# Altium PCB PCB_SingleLedRow.PcbDoc (part 2 of 2)
Units mm, origin at the board's own origin, x right, y up, seen from the top; angles counter-clockwise.
Board outline 110 x 81.27 mm, 4 copper layers (GTL, GL2, GL3, GBL), stack 1.543 mm thick; 154 components, 137 nets, 578 pads, 228 vias.
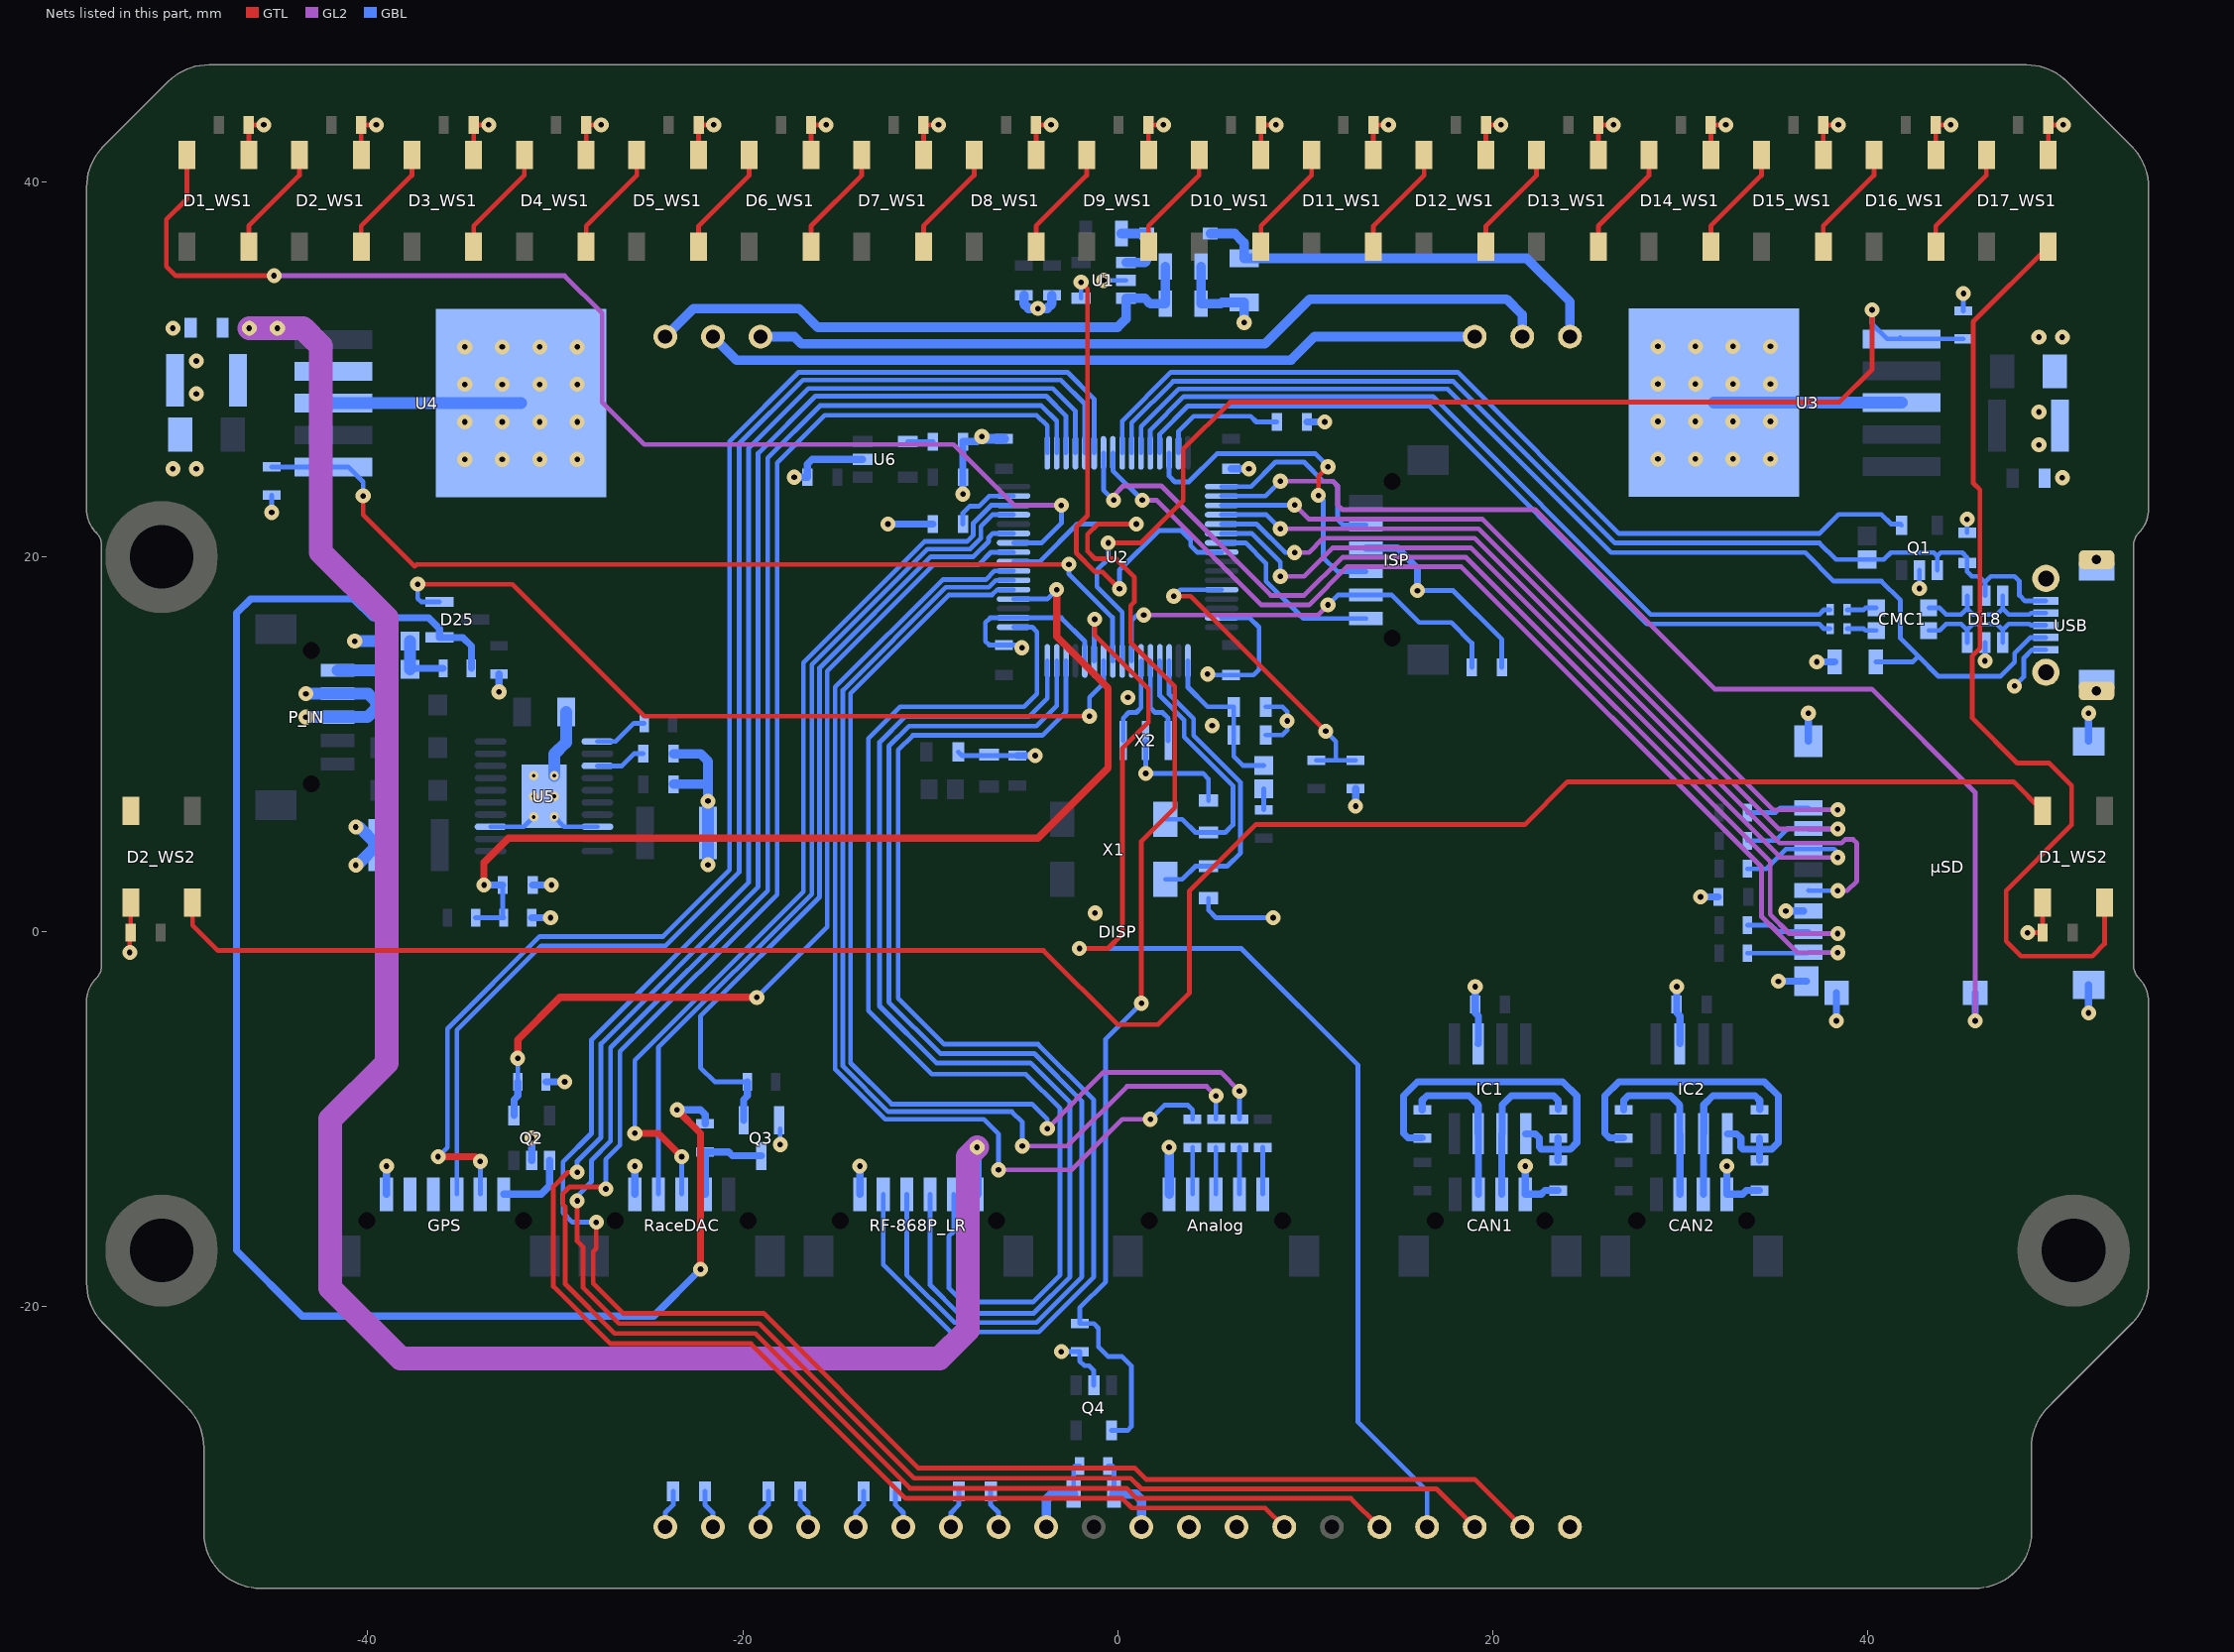
[diagram p4: the nets of this part, all layers, seen from the top]

## Via types
v1: diameter 0.8, hole 0.3, GTL to GBL, tented both sides, 222 vias
v2: diameter 0.5, hole 0.2, GTL to GBL, tented both sides, 6 vias

## Nets (pads, with @x,y where several pads share a name; then routed paths per layer and width w, separated by ;. In a path a pad name is that pad's centre, name@x,y a point inside that pad or via, vN(x,y) a via of type N, cw(c..) or ccw(c..) an arc to the next point about the centre after c; other vN are vias at no path point) (continued)
GND: Analog.5 C1_WS1.1 C1_WS2.1 C2_WS1.1 C2_WS2.1 C3_WS1.1 C4_WS1.1 C5_WS1.1 C6_WS1.1 C7_WS1.1 C8_WS1.1 C9_WS1.1 C10_WS1.1 C11_WS1.1 C12_WS1.1 C13_WS1.1 C14_WS1.1 C15_WS1.1 C16.1 C16_WS1.1 C17.2 C17_WS1.1 C18.2 C23.1 C24.2 C25.2 C26.2 C27.2 C28.2 C29.2 C30.2 C31.2 C32.2 C33.2 C34.2 C35.2 C36.2 C37.1 C38.2 C39.2 C40.2 C41.2 C42.2 C43.2 C44.2 C45.2 C46.1 C47.1 C48.2 C49.2 C50.2 C51.2 C52.1 C53.1 C54.2 C55.1 C56.1 C57.2 C58.1 CAN1.1 CAN2.1 D1_WS1.3 D1_WS2.3 D2_WS1.3 D2_WS2.3 D3_WS1.3 D4_WS1.3 D5_WS1.3 D6_WS1.3 D7_WS1.3 D8_WS1.3 D9_WS1.3 D10_WS1.3 D11_WS1.3 D12_WS1.3 D13_WS1.3 D14_WS1.3 D15_WS1.3 D16_WS1.3 D17_WS1.3 D18.2 D23.2 D24.1 DISP.31 DISP.32 DISP.33 DISP.40 GPS.6 IC1.2 IC2.2 ISP.3 P_IN.3 P_IN.4 Q1.2 Q2.2 Q3.2 Q4.2 R1.1 R2.1 R3.1 R4.1 R7.2 R15.1 R16.1 R23.2 R27.1 R29.2 R31.1 RaceDAC.5 RF-868P_LR.6 U1.2 U2.12 U2.18 U2.63 U3.3 U3.6 U4.3 U4.6 U5.8 U5.13 U5.21 U6.2 USB.5 USB.6 X2.2 µSD.6 µSD.9 µSD.11 | length 220.4
  GTL w0.254: v1(-52.7,-1.1) -52.7,-0.05 C2_WS2.1@-52.65,0 ; C2_WS2.1@-52.65,-0.05 C2_WS2.1@-52.65,0 ; D2_WS2.3@-52.65,1.55 C2_WS2.1@-52.65,0 ; C2_WS2.1@-52.6,0 C2_WS2.1@-52.65,0 ; D1_WS1.3@-46.35,41.45 C1_WS1.1@-46.35,43.05 v1(-45.55,43.05) ; D2_WS1.3@-40.35,41.45 C2_WS1.1@-40.35,43.05 v1(-39.55,43.05) ; D3_WS1.3@-34.35,41.45 C3_WS1.1@-34.35,43.05 v1(-33.55,43.05) ; D4_WS1.3@-28.35,41.45 C4_WS1.1@-28.35,43.05 v1(-27.55,43.05) ; D5_WS1.3@-22.35,41.45 C5_WS1.1@-22.35,43.05 v1(-21.55,43.05) ; D6_WS1.3@-16.35,41.45 C6_WS1.1@-16.35,43.05 v1(-15.55,43.05) ; D7_WS1.3@-10.35,41.45 C7_WS1.1@-10.35,43.05 v1(-9.55,43.05) ; D8_WS1.3@-4.35,41.45 C8_WS1.1@-4.35,43.05 v1(-3.55,43.05) ; D9_WS1.3@1.65,41.45 C9_WS1.1@1.65,43.05 v1(2.45,43.05) ; D10_WS1.3@7.65,41.45 C10_WS1.1@7.65,43.05 v1(8.45,43.05) ; D11_WS1.3@13.65,41.45 C11_WS1.1@13.65,43.05 v1(14.45,43.05) ; D12_WS1.3@19.65,41.45 C12_WS1.1@19.65,43.05 v1(20.45,43.05) ; D13_WS1.3@25.65,41.45 C13_WS1.1@25.65,43.05 v1(26.45,43.05) ; D14_WS1.3@31.65,41.45 C14_WS1.1@31.65,43.05 v1(32.45,43.05) ; D15_WS1.3@37.65,41.45 C15_WS1.1@37.65,43.05 v1(38.45,43.05) ; D16_WS1.3@43.65,41.45 C16_WS1.1@43.65,43.05 v1(44.45,43.05) ; v1(48.55,-0.05) C1_WS2.1@49.35,-0.05 D1_WS2.3@49.35,1.55 ; D17_WS1.3@49.65,41.45 C17_WS1.1@49.65,43.05 v1(50.45,43.05)
  GBL w0.254: v1(-45.125,22.375) R16.1@-45.125,23.3 ; U5.13@-33.45,5.6 -31.675,5.6 v2(-31.15,6.125) ; v2(-30.05,6.125) -29.525,5.6 U5.8@-27.75,5.6 ; v1(-18,-11.35) Q3.2@-18,-10.5 ; C28.2@-8.5,9.6 -8.3,9.4 C31.2@-5.35,9.4 ; v1(-5.1,15.15) -5.25,15.3 C33.2@-6.05,15.3 -6.85,15.3 -7.05,15.5 -7.05,16.5 -6.8,16.75 U2.18@-5.55,16.75 -3,16.75 -1.75,15.5 U2.12@-1.75,14.45 ; v1(-3,-22.4) R1.1@-2.02,-22.4 -2.02,-22.9 -1.77,-23.15 -1.52,-23.15 -1.27,-23.4 Q4.2@-1.27,-24.2 ; v1(-0.75,34.75) U1.2@0.45,34.75 ; R29.2@-0.52,-28.5 -0.27,-28.5 ; C39.2@-0.195,-30 -0.195,-28.575 ; X2.2@1.5,10.2 v1(1.5,8.45) 4.55,8.45 4.85,8.15 C24.2@4.85,7 ; v1(4.8,13.75) 4.85,13.7 C34.2@6.05,13.7 7.25,13.7 7.55,14 7.55,16.25 7.05,16.75 U2.63@5.55,16.75 ; C23.1@4.85,1.8 4.85,1.15 5.25,0.75 v1(8.3,0.75) ; C30.2@7.9,10.5 8.8,10.5 9.05,10.75 v1(9.05,11.25) 9.05,11.75 8.8,12 C32.2@7.9,12 ; v1(16,18.2) 17.9,18.2 20.5,15.6 C27.2@20.5,14.1 ; v1(42.779,18.309) Q1.2@42.779,19.285 ; R15.1@45.125,33.125 v1(45.125,34.05) ; C37.1@45.319,21.285 v1(45.319,22.009) ; v1(46.275,14.449) D18.2@46.275,15.425 ; v1(47.85,13.11) 48.35,13.61 48.35,14.61 48.79,15.05 USB.5@49.525,15.05
  GBL w0.381: GPS.6@-39,-14 v1(-39,-12.5) ; v1(-33,12.8) R27.1@-33,13.75 ; Q2.2@-31.25,-12.2 v1(-31.25,-11) ; R31.1@-31.25,0.75 v1(-30.25,0.75) ; C50.2@-31.2,2.5 v1(-30.2,2.5) ; R23.2@-30.5,-8 v1(-29.5,-8) ; RaceDAC.5@-25.75,-14 v1(-25.75,-12.5) ; v1(-17.25,24.25) C58.1@-16.55,24.25 -16.55,24.95 -16.3,25.2 U6.2@-13.6,25.2 ; RF-868P_LR.6@-13.75,-14 v1(-13.75,-12.5) ; v1(-12.25,21.75) C26.2@-9.85,21.75 ; v1(-8.25,23.35) C56.1@-8.25,24.25 C57.2@-8.25,26.15 -7.505,26.15 v1(-7.239,26.416) ; C31.2@-5.35,9.4 v1(-4.4,9.4) ; C36.2@6.05,24.7 v1(7,24.7) ; C25.2@10.1,27.2 v1(11.05,27.2) ; v1(12.7,6.7) R4.1@12.7,7.65 ; ISP.3@13.255,20.465 14.935,20.465 16,19.4 v1(16,18.2) ; v1(19.075,-2.925) C46.1@19.075,-3.875 19.075,-4.325 19.25,-4.5 19.25,-5.965 IC1.2@19.24,-5.975 ; v1(21.75,-12.5) CAN1.1@21.75,-14 22.6,-14 22.8,-13.8 C48.2@23.5,-13.8 ; v1(29.825,-2.925) 29.825,-4.325 30,-4.5 30,-5.965 IC2.2@29.99,-5.975 ; v1(31.1,1.86) C38.2@32.05,1.86 ; v1(32.5,-12.5) CAN2.1@32.5,-14 33.35,-14 33.55,-13.8 C49.2@34.25,-13.8 ; v1(35.25,-2.64) µSD.11@36.75,-2.64 ; v1(35.65,1.11) µSD.6@36.6,1.11 ; µSD.11@36.85,10.16 v1(36.85,11.66) ; v1(37.3,14.4) R7.2@38.25,14.4 ; v1(38.35,-4.75) µSD.9@38.35,-3.25 ; v1(51.8,-4.33) µSD.11@51.8,-2.83 ; µSD.11@51.8,10.16 v1(51.8,11.66)
  GBL w0.508: C55.1@-23.7,7.875 -21.975,7.875 -21.85,7.75 ; C53.1@-23.7,9.5 -22.25,9.5 -21.85,9.1 -21.85,7.75 ; v1(-21.85,6.975) -21.85,7.75 ; v1(-7.239,26.416) -7.123,26.3 C35.2@-6.05,26.3 ; C18.2@-5,33.95 -5,33.5 -4.75,33.25 v1(-4.25,33.25) -3.75,33.25 -3.5,33.5 C17.2@-3.5,33.95 ; C39.2@-0.195,-30 0.98,-30 1.27,-30.29 DISP.31@1.27,-31.75 ; Analog.5@2.75,-14 v1(2.75,-11.5) ; R3.1@4.45,35.5 R2.1@4.45,33.5 5.5,33.5 5.575,33.575 C16.1@6.75,33.575 v1(6.75,32.5)
  GBL w0.635: v1(-43.3,11.45) P_IN.3@-41.6,11.45 -40.025,11.45 D23.2@-39.375,12.1 -39.975,12.7 P_IN.4@-41.6,12.7 v1(-43.3,12.7) ; U4.3@-41.825,28.2 U4.6@-31.825,28.2 ; v1(-40.7,15.5) D24.1@-39,15.5 ; v1(-40.64,3.556) -40.569,3.556 C51.2@-39.5,4.625 -40.475,5.6 -40.487,5.588 v1(-40.64,5.588) ; v2(-30.05,8.325) -30.05,9.475 -29.425,10.1 C52.1@-29.425,11.725 ; v1(-21.85,3.575) C54.2@-21.85,5.275 v1(-21.85,6.975) ; U3.6@31.825,28.225 U3.3@41.825,28.225
  other v1: -1.2,1 5.05,11 0.55,12.5 50.4,24.225 -50.4,24.7 -49.15,24.7 -34.825,25.2 -32.825,25.2 -30.825,25.2 -28.825,25.2 28.825,25.225 30.825,25.225 32.825,25.225 34.825,25.225 49.15,25.975 -34.825,27.2 -32.825,27.2 -30.825,27.2 -28.825,27.2 28.825,27.225 30.825,27.225 32.825,27.225 34.825,27.225 49.15,27.725 -49.15,28.7 -34.825,29.2 -32.825,29.2 -30.825,29.2 -28.825,29.2 28.825,29.225 30.825,29.225 32.825,29.225 34.825,29.225 -49.15,30.45 -34.825,31.2 -32.825,31.2 -30.825,31.2 -28.825,31.2 28.825,31.225 30.825,31.225 32.825,31.225 34.825,31.225 49.15,31.725 50.4,31.725 -50.4,32.2
  other v2: -31.15,7.225 -30.05,7.225 -31.15,8.325
GPS_CANRX: GPS.5
GPS_CANTX: GPS.4
GPS_RX: GPS.3 U2.37 | length 73.2
  GBL w0.254: GPS.3@-35.25,-14 -35.25,-5.25 -30.75,-0.75 -24.118,-0.75 -20.193,3.175 -20.193,26.035 -16.789,29.439 -3.023,29.439 -1.75,28.166 U2.37@-1.75,25.55
GPS_TX: GPS.2 U2.38 | length 77
  GTL w0.381: v1(-36.25,-12) -34.25,-12 v1(-34,-12.25)
  GBL w0.254: v1(-36.25,-12) -35.75,-11.5 -35.75,-5.175 -30.825,-0.25 -24.253,-0.25 -20.701,3.302 -20.701,26.162 -17.018,29.845 -2.667,29.845 -1.25,28.428 U2.38@-1.25,25.55 ; GPS.2@-34,-14 v1(-34,-12.25)
GPS_VCC: GPS.1 Q2.1 | length 4
  GBL w0.381: GPS.1@-32.75,-14 -30.75,-14 -30.3,-13.55 Q2.1@-30.3,-12.2
KL15: D22.1 P_IN.5 | length 2.6
  GBL w0.635: P_IN.5@-41.6,13.95 -39.05,13.95 D22.1@-39,14
KL15_PROT: D25.1 R24.1 R26.2 | length 87.7
  GTL w0.381: v1(-23.5,-9.5) -22.25,-10.75 v1(-22.25,-18)
  GBL w0.381: R26.2@-34.475,14.05 -34.475,15.25 -34.925,15.7 D25.1@-36.175,15.7 -36.175,16.175 -36.75,16.75 -39.75,16.75 -40.75,17.75 -46.25,17.75 -47,17 -47,-17 -43.5,-20.5 -24.75,-20.5 v1(-22.25,-18) ; v1(-23.5,-9.5) -22.25,-9.5 -22,-9.75 R24.1@-22,-10.25
NetAnalog_1: Analog.1 R32.1 | length 2.5
  GBL w0.254: Analog.1@7.75,-14 R32.1@7.75,-11.5
NetAnalog_2: Analog.2 R33.1 | length 2.5
  GBL w0.254: Analog.2@6.5,-14 R33.1@6.5,-11.5
NetAnalog_3: Analog.3 R34.1 | length 2.5
  GBL w0.254: Analog.3@5.25,-14 R34.1@5.25,-11.5
NetAnalog_4: Analog.4 R35.1 | length 2.5
  GBL w0.254: Analog.4@4,-14 R35.1@4,-11.5
NetC16_2: C16.2 D16.1 DISP.1 | length 23
  GBL w0.508: D16.1@4.95,37.25 6.25,37.25 6.75,36.75 C16.2@6.75,35.925 21.825,35.925 24.13,33.62 DISP.1@24.13,31.75
NetC19_1: C19.1 DISP.22 | length 2.1
  GBL w0.254: C19.1@-22.01,-29.845 -22.01,-30.568 -21.59,-30.988 DISP.22@-21.59,-31.75
NetC19_2: C19.2 DISP.21 | length 2.1
  GBL w0.254: DISP.21@-24.13,-31.75 -24.13,-30.988 -23.71,-30.568 C19.2@-23.71,-29.845
NetC20_1: C20.1 DISP.24 | length 2.1
  GBL w0.254: C20.1@-16.93,-29.845 -16.93,-30.568 -16.51,-30.988 DISP.24@-16.51,-31.75
NetC20_2: C20.2 DISP.23 | length 2.1
  GBL w0.254: DISP.23@-19.05,-31.75 -19.05,-30.988 -18.63,-30.568 C20.2@-18.63,-29.845
NetC21_1: C21.1 DISP.26 | length 2.1
  GBL w0.254: C21.1@-11.85,-29.845 -11.85,-30.568 -11.43,-30.988 DISP.26@-11.43,-31.75
NetC21_2: C21.2 DISP.25 | length 2.1
  GBL w0.254: DISP.25@-13.97,-31.75 -13.97,-30.988 -13.55,-30.568 C21.2@-13.55,-29.845
NetC22_1: C22.1 DISP.28 | length 2.1
  GBL w0.254: C22.1@-6.77,-29.845 -6.77,-30.568 -6.35,-30.988 DISP.28@-6.35,-31.75
NetC22_2: C22.2 DISP.27 | length 2.1
  GBL w0.254: DISP.27@-8.89,-31.75 -8.89,-30.988 -8.47,-30.568 C22.2@-8.47,-29.845
NetC23_2: C23.2 U2.3 X1.1 | length 16.4
  GBL w0.254: X1.1@2.55,2.8 3.45,2.8 4.15,3.5 C23.2@4.85,3.5 5.85,3.5 6.556,4.206 6.556,7.968 4.05,10.475 4.05,11.375 2.75,12.675 U2.3@2.75,14.45
NetC24_1: C24.1 U2.4 X1.4 | length 14.4
  GBL w0.254: U2.4@2.25,14.45 2.25,12.6 3.55,11.3 3.55,10.4 6.15,7.8 6.15,5.7 5.75,5.3 C24.1@4.85,5.3 4.15,5.3 3.45,6 X1.4@2.55,6
NetC25_1: C25.1 U2.47 | length 6.9
  GBL w0.254: U2.47@3.25,25.55 3.25,26.7 4.05,27.5 7.1,27.5 7.4,27.2 C25.1@8.5,27.2
NetC26_1: C26.1 U2.31 | length 3.7
  GBL w0.254: C26.1@-8.25,21.75 -8.25,22.35 -7.9,22.7 -7.4,22.7 -6.85,23.25 U2.31@-5.55,23.25
NetC30_1: C30.1 C32.1 D17.2 U2.1 | length 8.7
  GBL w0.254: U2.1@3.75,14.45 3.75,13.05 4.8,12 C32.1@6.2,12 C30.1@6.2,10.5 6.2,9.35 6.675,8.875 D17.2@7.8,8.875
NetC39_1: C39.1 DISP.29 R29.1 | length 4.8
  GBL w0.254: C39.1@-2.345,-30 -2.345,-28.575 -2.27,-28.5 R29.1@-2.02,-28.5
  GBL w0.508: DISP.29@-3.81,-31.75 -3.81,-30.29 -3.52,-30 C39.1@-2.345,-30
NetC48_1: C48.1 IC1.5 R17.2 R19.2 | length 20.2
  GBL w0.381: R19.2@16.25,-11 15.5,-11 15.25,-10.75 15.25,-8.75 16,-8 23.75,-8 24.5,-8.75 24.5,-11.25 24.15,-11.6 23.5,-11.6 ; IC1.5@21.78,-10.775 22.275,-10.775 22.5,-11 22.5,-11.5 22.6,-11.6 23.5,-11.6 ; C48.1@23.5,-12.2 23.5,-11.6 ; R17.2@23.5,-11 23.5,-11.6
NetC49_1: C49.1 IC2.5 R18.2 R20.2 | length 20.2
  GBL w0.381: R20.2@27,-11 26.25,-11 26,-10.75 26,-8.75 26.75,-8 34.5,-8 35.25,-8.75 35.25,-11.25 34.9,-11.6 34.25,-11.6 ; IC2.5@32.53,-10.775 33.025,-10.775 33.25,-11 33.25,-11.5 33.35,-11.6 34.25,-11.6 ; C49.1@34.25,-12.2 34.25,-11.6 ; R18.2@34.25,-11 34.25,-11.6
NetC50_1: C50.1 R30.1 R31.2 U2.20 | length 54
  GTL w0.381: v1(-33.8,2.5) -33.8,3.7 -32.5,5 -4.25,5 -0.5,8.75 -0.5,13 -3.25,15.75 v1(-3.25,18.25)
  GBL w0.254: R30.1@-34.25,0.75 R31.2@-32.75,0.75 -32.8,0.8 C50.1@-32.8,2.5 ; U2.20@-5.55,17.75 -3.75,17.75 v1(-3.25,18.25)
  GBL w0.381: v1(-33.8,2.5) C50.1@-32.8,2.5
NetC53_2: C53.2 U5.3 | length 2.7
  GBL w0.254: U5.3@-27.75,8.85 -26.45,8.85 -25.8,9.5 C53.2@-25.3,9.5
NetC57_1: C57.1 U6.4 | length 1.3
  GBL w0.254: U6.4@-11.2,26.15 C57.1@-9.85,26.15
NetCAN1_2: CAN1.2 IC1.6 R17.1 | length 8.6
  GBL w0.381: CAN1.2@20.5,-14 20.5,-10.785 IC1.6@20.51,-10.775 20.52,-10.765 20.52,-9.23 21.01,-8.74 23.26,-8.74 23.51,-8.99 R17.1@23.51,-9.49
NetCAN1_3: CAN1.3 IC1.7 R19.1 | length 8.6
  GBL w0.381: R19.1@16.25,-9.5 16.25,-9 16.5,-8.75 18.75,-8.75 19.24,-9.24 IC1.7@19.24,-10.775 19.25,-10.785 CAN1.3@19.25,-14
NetCAN2_2: CAN2.2 IC2.6 R18.1 | length 8.6
  GBL w0.381: CAN2.2@31.25,-14 31.25,-10.785 IC2.6@31.26,-10.775 ; IC2.6@31.27,-10.765 31.27,-9.23 31.76,-8.74 34.01,-8.74 34.26,-8.99 R18.1@34.26,-9.49
NetCAN2_3: CAN2.3 IC2.7 R20.1 | length 8.6
  GBL w0.381: R20.1@27,-9.5 27,-9 27.25,-8.75 29.5,-8.75 29.99,-9.24 IC2.7@29.99,-10.775 30,-10.785 CAN2.3@30,-14
NetD1_WS1_2: D1_WS1.2 D2_WS1.4 | length 6
  GTL w0.254: D1_WS1.2@-46.35,36.55 -46.35,37.65 -43.65,40.35 D2_WS1.4@-43.65,41.45
NetD1_WS1_4: D1_WS1.4 U2.26 | length 66.2
  GTL w0.254: D1_WS1.4@-49.65,41.45 -49.65,39.1 -50.75,38 -50.75,35.5 -50.25,35 v1(-45,35)
  GL2 w0.254: v1(-45,35) -29.5,35 -27.5,33 -27.5,28.25 -25.25,26 -8.75,26 -5.5,22.75 v1(-3,22.75)
  GBL w0.254: U2.26@-5.55,20.75 -4.05,20.75 -3,21.8 v1(-3,22.75)
NetD1_WS2_2: D1_WS2.2 D2_WS2.4 | length 111.3
  GTL w0.254: D2_WS2.4@-49.35,1.55 -49.35,0.35 -48,-1 -3.953,-1 0,-4.953 2.159,-4.953 3.826,-3.286 3.826,2.175 7.366,5.715 21.715,5.715 24,8 47.8,8 D1_WS2.2@49.35,6.45
NetD1_WS2_4: D1_WS2.4 D17_WS1.2 | length 51.7
  GTL w0.254: D17_WS1.2@49.65,36.55 45.646,32.546 45.646,23.944 45.998,23.591 45.998,15.133 45.596,14.73 45.596,11.404 48,9 49.7,9 50.9,7.8 50.9,5.7 47.4,2.2 47.4,-0.5 48.2,-1.3 52,-1.3 52.65,-0.65 D1_WS2.4@52.65,1.55
NetD2_WS1_2: D2_WS1.2 D3_WS1.4 | length 6
  GTL w0.254: D2_WS1.2@-40.35,36.55 -40.35,37.65 -37.65,40.35 D3_WS1.4@-37.65,41.45
NetD2_WS2_2: D2_WS2.2
NetD3_WS1_2: D3_WS1.2 D4_WS1.4 | length 6
  GTL w0.254: D3_WS1.2@-34.35,36.55 -34.35,37.65 -31.65,40.35 D4_WS1.4@-31.65,41.45
NetD3_WS2_2: 
NetD4_WS1_2: D4_WS1.2 D5_WS1.4 | length 6
  GTL w0.254: D4_WS1.2@-28.35,36.55 -28.35,37.65 -25.65,40.35 D5_WS1.4@-25.65,41.45
NetD4_WS2_2: 
NetD5_WS1_2: D5_WS1.2 D6_WS1.4 | length 6
  GTL w0.254: D5_WS1.2@-22.35,36.55 -22.35,37.65 -19.65,40.35 D6_WS1.4@-19.65,41.45
NetD5_WS2_2: 
NetD6_WS1_2: D6_WS1.2 D7_WS1.4 | length 6
  GTL w0.254: D6_WS1.2@-16.35,36.55 -16.35,37.65 -13.65,40.35 D7_WS1.4@-13.65,41.45
NetD6_WS2_2: 
NetD7_WS1_2: D7_WS1.2 D8_WS1.4 | length 6
  GTL w0.254: D7_WS1.2@-10.35,36.55 -10.35,37.65 -7.65,40.35 D8_WS1.4@-7.65,41.45
NetD7_WS2_2: 
NetD8_WS1_2: D8_WS1.2 D9_WS1.4 | length 6
  GTL w0.254: D8_WS1.2@-4.35,36.55 -4.35,37.65 -1.65,40.35 D9_WS1.4@-1.65,41.45
NetD8_WS2_2: 
NetD9_WS1_2: D9_WS1.2 D10_WS1.4 | length 6
  GTL w0.254: D9_WS1.2@1.65,36.55 1.65,37.65 4.35,40.35 D10_WS1.4@4.35,41.45
NetD9_WS2_2: 
NetD10_WS1_2: D10_WS1.2 D11_WS1.4 | length 6
  GTL w0.254: D10_WS1.2@7.65,36.55 7.65,37.65 10.35,40.35 D11_WS1.4@10.35,41.45
NetD10_WS2_2: 
NetD11_WS1_2: D11_WS1.2 D12_WS1.4 | length 6
  GTL w0.254: D11_WS1.2@13.65,36.55 13.65,37.65 16.35,40.35 D12_WS1.4@16.35,41.45
NetD11_WS2_2: 
NetD12_WS1_2: D12_WS1.2 D13_WS1.4 | length 6
  GTL w0.254: D12_WS1.2@19.65,36.55 19.65,37.65 22.35,40.35 D13_WS1.4@22.35,41.45
NetD12_WS2_2: 
NetD13_WS1_2: D13_WS1.2 D14_WS1.4 | length 6
  GTL w0.254: D13_WS1.2@25.65,36.55 25.65,37.65 28.35,40.35 D14_WS1.4@28.35,41.45
NetD13_WS2_2: 
NetD14_WS1_2: D14_WS1.2 D15_WS1.4 | length 6
  GTL w0.254: D14_WS1.2@31.65,36.55 31.65,37.65 34.35,40.35 D15_WS1.4@34.35,41.45
NetD14_WS2_2: 
NetD15_WS1_2: D15_WS1.2 D16_WS1.4 | length 6
  GTL w0.254: D15_WS1.2@37.65,36.55 37.65,37.65 40.35,40.35 D16_WS1.4@40.35,41.45
NetD15_WS2_2: 
NetD16_2: D16.2 L1.1 U1.1 | length 3.9
  GBL w0.508: L1.1@0.2,37.25 D16.2@1.55,37.25 1.55,35.8 1.45,35.7 U1.1@0.45,35.7
NetD16_WS1_2: D16_WS1.2 D17_WS1.4 | length 6
  GTL w0.254: D16_WS1.2@43.65,36.55 43.65,37.65 46.35,40.35 D17_WS1.4@46.35,41.45